# Altium PCB MKRWANV1.0.PcbDoc (part 2 of 2)
Units mm, origin at the board's own origin, x right, y up, seen from the top; angles counter-clockwise.
Board outline 67.63 x 25 mm, 4 copper layers (Top, LFSignals, POWER, Bottom), stack 0.925 mm thick; 122 components, 88 nets, 394 pads, 212 vias.
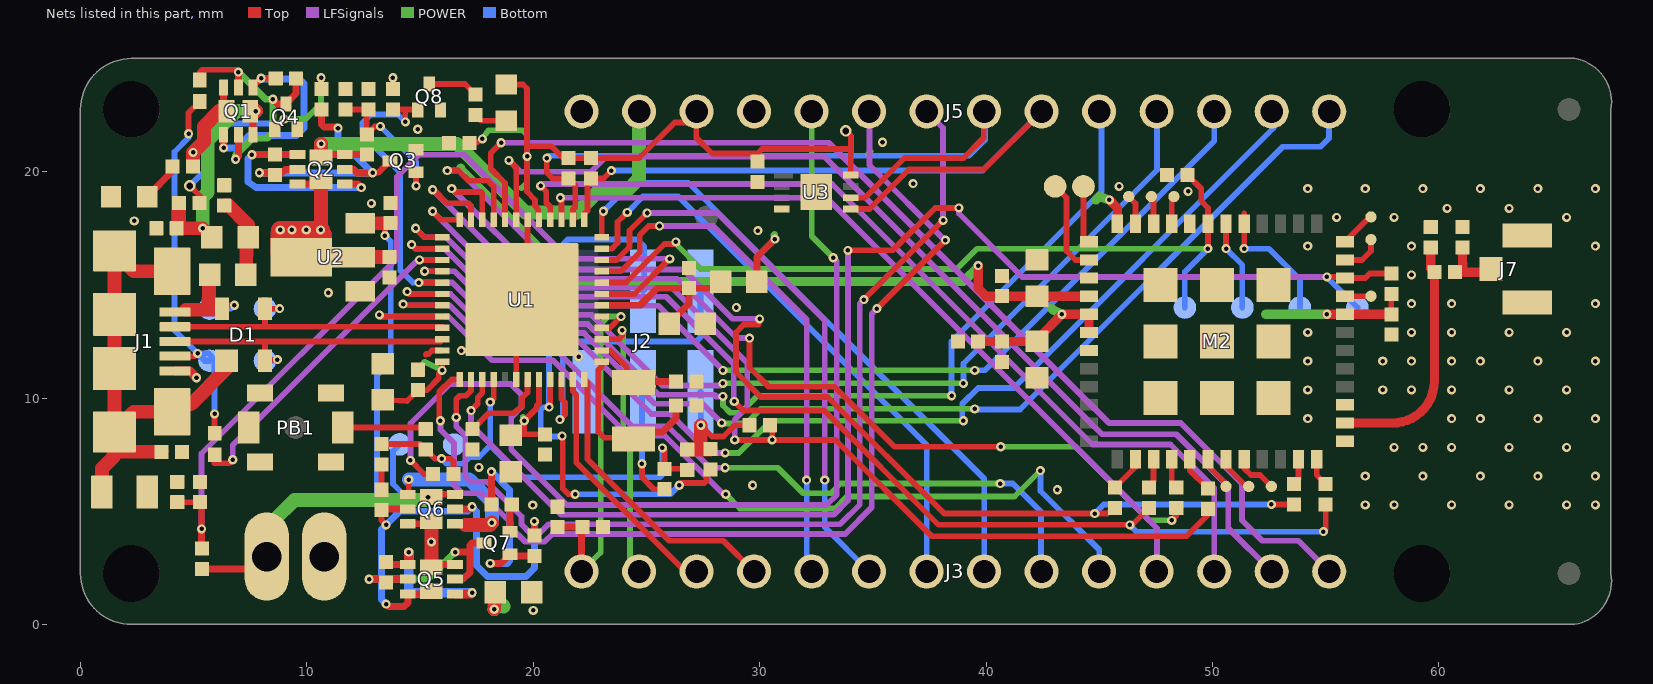
[diagram p4: the nets of this part, all layers, seen from the top]

## Footprints (in the part's own frame and the unit in brackets; to place one, negate y for a bottom-side part, rotate by r counter-clockwise, add the part's x,y. Pads: shape width x height; smd on the part's side, far side on the other; paste and mask are expansions set on the pad) (continued)
QFN50P700X700X90-49XN-EPSQ515 [mm] "QFN50P700X700X90-49XN-EPSQ515"
  rrect3% 0.65x0.28 smd paste-0.325 mask-0.325: 1(-3.525,2.75) 2(-3.525,2.25) 3(-3.525,1.75) 4(-3.525,1.25) 5(-3.525,0.75) 6(-3.525,0.25) 7(-3.525,-0.25) 8(-3.525,-0.75) 9(-3.525,-1.25) 10(-3.525,-1.75) 11(-3.525,-2.25) 12(-3.525,-2.75) 25(3.525,-2.75) 26(3.525,-2.25) 27(3.525,-1.75) 28(3.525,-1.25) 29(3.525,-0.75) 30(3.525,-0.25) 31(3.525,0.25) 32(3.525,0.75) 33(3.525,1.25) 34(3.525,1.75) 35(3.525,2.25) 36(3.525,2.75)
  rrect3% 0.28x0.65 smd paste-0.325 mask-0.325: 13(-2.75,-3.525) 14(-2.25,-3.525) 15(-1.75,-3.525) 16(-1.25,-3.525) 17(-0.75,-3.525) 18(-0.25,-3.525) 19(0.25,-3.525) 20(0.75,-3.525) 21(1.25,-3.525) 22(1.75,-3.525) 23(2.25,-3.525) 24(2.75,-3.525) 37(2.75,3.525) 38(2.25,3.525) 39(1.75,3.525) 40(1.25,3.525) 41(0.75,3.525) 42(0.25,3.525) 43(-0.25,3.525) 44(-0.75,3.525) 45(-1.25,3.525) 46(-1.75,3.525) 47(-2.25,3.525) 48(-2.75,3.525)
  rrect3% 5x5 smd paste-2.5 mask-2.5: 49(0,0)
  Top region: 2.835,3.825 2.835,3.185 2.828,3.152 2.81,3.125 2.783,3.107 2.75,3.1 2.75,3.1 2.718,3.106 2.69,3.125 2.671,3.152 2.665,3.185 2.665,3.185 2.665,3.825 2.835,3.825
  Top region: 2.665,-3.825 2.665,-3.185 2.671,-3.152 2.69,-3.125 2.718,-3.106 2.75,-3.1 2.75,-3.1 2.783,-3.107 2.81,-3.125 2.828,-3.152 2.835,-3.185 2.835,-3.185 2.835,-3.825 2.665,-3.825
  Top region: 3.825,2.665 3.185,2.665 3.152,2.671 3.125,2.69 3.106,2.718 3.1,2.75 3.1,2.75 3.107,2.783 3.125,2.81 3.152,2.828 3.185,2.835 3.185,2.835 3.825,2.835 3.825,2.665
  Top region: -2.835,-3.825 -2.835,-3.185 -2.828,-3.152 -2.81,-3.125 -2.783,-3.107 -2.75,-3.1 -2.75,-3.1 -2.718,-3.106 -2.69,-3.125 -2.671,-3.152 -2.665,-3.185 -2.665,-3.185 -2.665,-3.825 -2.835,-3.825
  Top region: -2.335,-3.825 -2.335,-3.185 -2.329,-3.152 -2.31,-3.125 -2.282,-3.106 -2.25,-3.1 -2.25,-3.1 -2.217,-3.107 -2.19,-3.125 -2.172,-3.152 -2.165,-3.185 -2.165,-3.185 -2.165,-3.825 -2.335,-3.825
  Top region: -1.835,-3.825 -1.835,-3.185 -1.828,-3.152 -1.81,-3.125 -1.783,-3.107 -1.75,-3.1 -1.75,-3.1 -1.718,-3.106 -1.69,-3.125 -1.671,-3.152 -1.665,-3.185 -1.665,-3.185 -1.665,-3.825 -1.835,-3.825
  Top region: -1.335,-3.825 -1.335,-3.185 -1.329,-3.152 -1.31,-3.125 -1.282,-3.106 -1.25,-3.1 -1.25,-3.1 -1.217,-3.107 -1.19,-3.125 -1.172,-3.152 -1.165,-3.185 -1.165,-3.185 -1.165,-3.825 -1.335,-3.825
  Top region: -0.835,-3.825 -0.835,-3.185 -0.828,-3.152 -0.81,-3.125 -0.783,-3.107 -0.75,-3.1 -0.75,-3.1 -0.718,-3.106 -0.69,-3.125 -0.671,-3.152 -0.665,-3.185 -0.665,-3.185 -0.665,-3.825 -0.835,-3.825
  Top region: -0.335,-3.825 -0.335,-3.185 -0.329,-3.152 -0.31,-3.125 -0.282,-3.106 -0.25,-3.1 -0.25,-3.1 -0.217,-3.107 -0.19,-3.125 -0.172,-3.152 -0.165,-3.185 -0.165,-3.185 -0.165,-3.825 -0.335,-3.825
  Top region: 0.165,-3.825 0.165,-3.185 0.172,-3.152 0.19,-3.125 0.217,-3.107 0.25,-3.1 0.25,-3.1 0.282,-3.106 0.31,-3.125 0.329,-3.152 0.335,-3.185 0.335,-3.185 0.335,-3.825 0.165,-3.825
  Top region: 0.665,-3.825 0.665,-3.185 0.671,-3.152 0.69,-3.125 0.718,-3.106 0.75,-3.1 0.75,-3.1 0.783,-3.107 0.81,-3.125 0.828,-3.152 0.835,-3.185 0.835,-3.185 0.835,-3.825 0.665,-3.825
  Top region: 1.165,-3.825 1.165,-3.185 1.172,-3.152 1.19,-3.125 1.217,-3.107 1.25,-3.1 1.25,-3.1 1.282,-3.106 1.31,-3.125 1.329,-3.152 1.335,-3.185 1.335,-3.185 1.335,-3.825 1.165,-3.825
  Top region: 1.665,-3.825 1.665,-3.185 1.671,-3.152 1.69,-3.125 1.718,-3.106 1.75,-3.1 1.75,-3.1 1.783,-3.107 1.81,-3.125 1.828,-3.152 1.835,-3.185 1.835,-3.185 1.835,-3.825 1.665,-3.825
  Top region: 2.165,-3.825 2.165,-3.185 2.172,-3.152 2.19,-3.125 2.217,-3.107 2.25,-3.1 2.25,-3.1 2.282,-3.106 2.31,-3.125 2.329,-3.152 2.335,-3.185 2.335,-3.185 2.335,-3.825 2.165,-3.825
  Top region: -3.825,1.835 -3.185,1.835 -3.152,1.828 -3.125,1.81 -3.107,1.783 -3.1,1.75 -3.1,1.75 -3.111,1.708 -3.142,1.676 -3.185,1.665 -3.185,1.665 -3.825,1.665 -3.825,1.835
  Top region: -3.825,1.335 -3.185,1.335 -3.152,1.329 -3.125,1.31 -3.106,1.282 -3.1,1.25 -3.1,1.25 -3.107,1.217 -3.125,1.19 -3.152,1.172 -3.185,1.165 -3.185,1.165 -3.825,1.165 -3.825,1.335
  Top region: -3.825,0.835 -3.185,0.835 -3.152,0.828 -3.125,0.81 -3.107,0.783 -3.1,0.75 -3.1,0.75 -3.111,0.708 -3.142,0.676 -3.185,0.665 -3.185,0.665 -3.825,0.665 -3.825,0.835
  Top region: -3.825,0.335 -3.185,0.335 -3.152,0.329 -3.125,0.31 -3.106,0.282 -3.1,0.25 -3.1,0.25 -3.107,0.217 -3.125,0.19 -3.152,0.172 -3.185,0.165 -3.185,0.165 -3.825,0.165 -3.825,0.335
  Top region: -3.825,-0.165 -3.185,-0.165 -3.152,-0.172 -3.125,-0.19 -3.107,-0.217 -3.1,-0.25 -3.1,-0.25 -3.111,-0.292 -3.142,-0.324 -3.185,-0.335 -3.185,-0.335 -3.825,-0.335 -3.825,-0.165
  Top region: -3.825,-0.665 -3.185,-0.665 -3.152,-0.671 -3.125,-0.69 -3.106,-0.718 -3.1,-0.75 -3.1,-0.75 -3.107,-0.783 -3.125,-0.81 -3.152,-0.828 -3.185,-0.835 -3.185,-0.835 -3.825,-0.835 -3.825,-0.665
  Top region: -3.825,-1.165 -3.185,-1.165 -3.152,-1.172 -3.125,-1.19 -3.107,-1.217 -3.1,-1.25 -3.1,-1.25 -3.111,-1.292 -3.142,-1.324 -3.185,-1.335 -3.185,-1.335 -3.825,-1.335 -3.825,-1.165
  Top region: -3.825,-1.665 -3.185,-1.665 -3.152,-1.671 -3.125,-1.69 -3.106,-1.718 -3.1,-1.75 -3.1,-1.75 -3.107,-1.783 -3.125,-1.81 -3.152,-1.828 -3.185,-1.835 -3.185,-1.835 -3.825,-1.835 -3.825,-1.665
  Top region: -3.825,-2.165 -3.185,-2.165 -3.152,-2.172 -3.125,-2.19 -3.107,-2.217 -3.1,-2.25 -3.1,-2.25 -3.111,-2.292 -3.142,-2.324 -3.185,-2.335 -3.185,-2.335 -3.825,-2.335 -3.825,-2.165
  Top region: -3.825,-2.665 -3.185,-2.665 -3.152,-2.671 -3.125,-2.69 -3.106,-2.718 -3.1,-2.75 -3.1,-2.75 -3.107,-2.783 -3.125,-2.81 -3.152,-2.828 -3.185,-2.835 -3.185,-2.835 -3.825,-2.835 -3.825,-2.665
  Top region: 2.335,3.825 2.335,3.185 2.329,3.152 2.31,3.125 2.282,3.106 2.25,3.1 2.25,3.1 2.217,3.107 2.19,3.125 2.172,3.152 2.165,3.185 2.165,3.185 2.165,3.825 2.335,3.825
  Top region: 1.835,3.825 1.835,3.185 1.828,3.152 1.81,3.125 1.783,3.107 1.75,3.1 1.75,3.1 1.718,3.106 1.69,3.125 1.671,3.152 1.665,3.185 1.665,3.185 1.665,3.825 1.835,3.825
  Top region: 1.335,3.825 1.335,3.185 1.329,3.152 1.31,3.125 1.282,3.106 1.25,3.1 1.25,3.1 1.217,3.107 1.19,3.125 1.172,3.152 1.165,3.185 1.165,3.185 1.165,3.825 1.335,3.825
  Top region: 0.835,3.825 0.835,3.185 0.828,3.152 0.81,3.125 0.783,3.107 0.75,3.1 0.75,3.1 0.718,3.106 0.69,3.125 0.671,3.152 0.665,3.185 0.665,3.185 0.665,3.825 0.835,3.825
  Top region: 0.335,3.825 0.335,3.185 0.329,3.152 0.31,3.125 0.282,3.106 0.25,3.1 0.25,3.1 0.217,3.107 0.19,3.125 0.172,3.152 0.165,3.185 0.165,3.185 0.165,3.825 0.335,3.825
  Top region: -0.165,3.825 -0.165,3.185 -0.172,3.152 -0.19,3.125 -0.217,3.107 -0.25,3.1 -0.25,3.1 -0.282,3.106 -0.31,3.125 -0.329,3.152 -0.335,3.185 -0.335,3.185 -0.335,3.825 -0.165,3.825
  Top region: -0.665,3.825 -0.665,3.185 -0.671,3.152 -0.69,3.125 -0.718,3.106 -0.75,3.1 -0.75,3.1 -0.783,3.107 -0.81,3.125 -0.828,3.152 -0.835,3.185 -0.835,3.185 -0.835,3.825 -0.665,3.825
  Top region: -1.165,3.825 -1.165,3.185 -1.172,3.152 -1.19,3.125 -1.217,3.107 -1.25,3.1 -1.25,3.1 -1.282,3.106 -1.31,3.125 -1.329,3.152 -1.335,3.185 -1.335,3.185 -1.335,3.825 -1.165,3.825
  Top region: -1.665,3.825 -1.665,3.185 -1.671,3.152 -1.69,3.125 -1.718,3.106 -1.75,3.1 -1.75,3.1 -1.783,3.107 -1.81,3.125 -1.828,3.152 -1.835,3.185 -1.835,3.185 -1.835,3.825 -1.665,3.825
  Top region: -2.165,3.825 -2.165,3.185 -2.172,3.152 -2.19,3.125 -2.217,3.107 -2.25,3.1 -2.25,3.1 -2.282,3.106 -2.31,3.125 -2.329,3.152 -2.335,3.185 -2.335,3.185 -2.335,3.825 -2.165,3.825
  Top region: -2.665,3.825 -2.665,3.185 -2.671,3.152 -2.69,3.125 -2.718,3.106 -2.75,3.1 -2.75,3.1 -2.783,3.107 -2.81,3.125 -2.828,3.152 -2.835,3.185 -2.835,3.185 -2.835,3.825 -2.665,3.825
  Top region: 3.825,-2.835 3.185,-2.835 3.152,-2.828 3.125,-2.81 3.107,-2.783 3.1,-2.75 3.1,-2.75 3.111,-2.708 3.142,-2.676 3.185,-2.665 3.185,-2.665 3.825,-2.665 3.825,-2.835
  Top region: 3.825,-2.335 3.185,-2.335 3.152,-2.329 3.125,-2.31 3.106,-2.282 3.1,-2.25 3.1,-2.25 3.107,-2.217 3.125,-2.19 3.152,-2.172 3.185,-2.165 3.185,-2.165 3.825,-2.165 3.825,-2.335
  Top region: 3.825,-1.835 3.185,-1.835 3.152,-1.828 3.125,-1.81 3.107,-1.783 3.1,-1.75 3.1,-1.75 3.111,-1.708 3.142,-1.676 3.185,-1.665 3.185,-1.665 3.825,-1.665 3.825,-1.835
  Top region: 3.825,-1.335 3.185,-1.335 3.152,-1.329 3.125,-1.31 3.106,-1.282 3.1,-1.25 3.1,-1.25 3.107,-1.217 3.125,-1.19 3.152,-1.172 3.185,-1.165 3.185,-1.165 3.825,-1.165 3.825,-1.335
  Top region: 3.825,-0.835 3.185,-0.835 3.152,-0.828 3.125,-0.81 3.107,-0.783 3.1,-0.75 3.1,-0.75 3.111,-0.708 3.142,-0.676 3.185,-0.665 3.185,-0.665 3.825,-0.665 3.825,-0.835
  Top region: 3.825,-0.335 3.185,-0.335 3.152,-0.329 3.125,-0.31 3.106,-0.282 3.1,-0.25 3.1,-0.25 3.107,-0.217 3.125,-0.19 3.152,-0.172 3.185,-0.165 3.185,-0.165 3.825,-0.165 3.825,-0.335
  Top region: 3.825,0.165 3.185,0.165 3.152,0.172 3.125,0.19 3.107,0.217 3.1,0.25 3.1,0.25 3.111,0.292 3.142,0.324 3.185,0.335 3.185,0.335 3.825,0.335 3.825,0.165
  Top region: 3.825,0.665 3.185,0.665 3.152,0.671 3.125,0.69 3.106,0.718 3.1,0.75 3.1,0.75 3.107,0.783 3.125,0.81 3.152,0.828 3.185,0.835 3.185,0.835 3.825,0.835 3.825,0.665
  Top region: 3.825,1.165 3.185,1.165 3.152,1.172 3.125,1.19 3.107,1.217 3.1,1.25 3.1,1.25 3.111,1.292 3.142,1.324 3.185,1.335 3.185,1.335 3.825,1.335 3.825,1.165
  Top region: 3.825,1.665 3.185,1.665 3.152,1.671 3.125,1.69 3.106,1.718 3.1,1.75 3.1,1.75 3.107,1.783 3.125,1.81 3.152,1.828 3.185,1.835 3.185,1.835 3.825,1.835 3.825,1.665
  Top region: 3.825,2.165 3.185,2.165 3.152,2.172 3.125,2.19 3.107,2.217 3.1,2.25 3.1,2.25 3.111,2.292 3.142,2.324 3.185,2.335 3.185,2.335 3.825,2.335 3.825,2.165
  Top region: -3.825,2.335 -3.19,2.335 -3.185,2.335 -3.152,2.329 -3.125,2.31 -3.106,2.282 -3.1,2.25 -3.1,2.25 -3.107,2.217 -3.125,2.19 -3.152,2.172 -3.185,2.165 -3.185,2.165 -3.19,2.165 -3.825,2.165 -3.825,2.335
  Top region: -3.825,2.835 -3.19,2.835 -3.185,2.835 -3.152,2.828 -3.125,2.81 -3.107,2.783 -3.1,2.75 -3.1,2.75 -3.111,2.708 -3.142,2.676 -3.185,2.665 -3.185,2.665 -3.19,2.665 -3.825,2.665 -3.825,2.835
  Top region: -2.525,2.525 2.525,2.525 2.525,-2.525 -2.525,-2.525 -2.525,2.525
  Top keep-out lines w0.05: 0.35,0 0.25,0 ; 0,0.35 0,0.25 ; 0,-0.35 0,-0.25 ; -0.35,0 -0.25,0 ; 0.25,0 cw(c0,0) 0,-0.25 ; 0.25,0 ccw(c0,0) 0.177,0.177 ccw(c0,0) 0,0.25 ; 0.25,0 0,0 ; 0,0.25 ccw(c0,0) -0.25,0 ; 0,0.25 0,0 ; 0,0 0,-0.25 ; 0,0 -0.25,0 ; 0,-0.25 cw(c0,0) -0.177,-0.177 cw(c0,0) -0.25,0
SCREW2 [mm] "SCREW2"
  oval 1.95x3.9 hole 1.3: GND(1.27,0) V+(-1.27,0)
SODFL1008X40N-882D [mm] "SODFL1008X40N-882D"
  rrect3% 0.65x0.6 smd: A(0.475,0) C(-0.475,0)
  Top keep-out circle w0.05: c0,0 r0.25
  Top keep-out lines w0.05: 0,-0.35 0,0.35 ; 0.35,0 -0.35,0 ; 1.1,-0.6 1.1,0.6 -1.1,0.6 -1.1,-0.6 1.1,-0.6
SON50P300X200X60-9N-EP160X140 [mm] "SON50P300X200X60-9N-EP160X140"
  rrect3% 0.85x0.3 smd paste-0.425 mask-0.425: 1(-1.45,0.75)
  rrect3% 0.7x0.3 smd paste-0.35 mask-0.35: 2(-1.525,0.25) 3(-1.525,-0.25) 4(-1.525,-0.75) 5(1.525,-0.75) 6(1.525,-0.25) 7(1.525,0.25) 8(1.525,0.75)
  rrect3% 1.4x1.6 smd paste-0.8 mask-0.8: 9(0,0)
  Top region: 1.875,0.6 1.175,0.6 1.121,0.611 1.076,0.641 1.046,0.686 1.035,0.74 1.035,0.74 1.035,0.75 1.035,0.76 1.046,0.814 1.076,0.859 1.121,0.889 1.175,0.9 1.175,0.9 1.875,0.9 1.875,0.6
  Top region: 1.875,0.1 1.175,0.1 1.121,0.111 1.076,0.141 1.046,0.186 1.035,0.24 1.035,0.24 1.035,0.25 1.035,0.26 1.046,0.314 1.076,0.359 1.121,0.389 1.175,0.4 1.175,0.4 1.875,0.4 1.875,0.1
  Top region: 1.875,-0.4 1.175,-0.4 1.121,-0.389 1.076,-0.359 1.046,-0.314 1.035,-0.26 1.035,-0.26 1.035,-0.25 1.035,-0.24 1.046,-0.186 1.076,-0.141 1.121,-0.111 1.175,-0.1 1.175,-0.1 1.875,-0.1 1.875,-0.4
  Top region: 1.875,-0.9 1.175,-0.9 1.121,-0.889 1.076,-0.859 1.046,-0.814 1.035,-0.76 1.035,-0.76 1.035,-0.75 1.035,-0.74 1.046,-0.686 1.076,-0.641 1.121,-0.611 1.175,-0.6 1.175,-0.6 1.875,-0.6 1.875,-0.9
  Top region: -1.875,-0.6 -1.175,-0.6 -1.121,-0.611 -1.076,-0.641 -1.046,-0.686 -1.035,-0.74 -1.035,-0.74 -1.035,-0.75 -1.035,-0.76 -1.046,-0.814 -1.076,-0.859 -1.121,-0.889 -1.175,-0.9 -1.175,-0.9 -1.875,-0.9 -1.875,-0.6
  Top region: -1.875,-0.1 -1.175,-0.1 -1.121,-0.111 -1.076,-0.141 -1.046,-0.186 -1.035,-0.24 -1.035,-0.24 -1.035,-0.25 -1.035,-0.26 -1.046,-0.314 -1.076,-0.359 -1.121,-0.389 -1.175,-0.4 -1.175,-0.4 -1.875,-0.4 -1.875,-0.1
  Top region: -1.875,0.4 -1.175,0.4 -1.121,0.389 -1.076,0.359 -1.046,0.314 -1.035,0.26 -1.035,0.26 -1.035,0.25 -1.035,0.24 -1.046,0.186 -1.076,0.141 -1.121,0.111 -1.175,0.1 -1.175,0.1 -1.875,0.1 -1.875,0.4
  Top region: -1.873,0.902 -1.022,0.902 -1.022,0.597 -1.873,0.597 -1.873,0.902
  Top region: 0.7,-0.8 0.7,0.8 -0.7,0.8 -0.7,-0.8 0.7,-0.8
  Top keep-out circle w0.05: c0,0 r0.25
  Top keep-out lines w0.05: -0.35,0 0.35,0 ; 0,-0.35 0,0.35
SOT89-3L [mm] "SOT89-3L"
  rect 0.9x1.3 smd: 1(-1.5,0) 3(1.5,0)
  rect 0.9x1.9 smd: 2(0,0.3)
  rect 1.7x2.7 smd: TH(0,2.6)
SOT190P230X110-4N [mm] "SOT190P230X110-4N"
  rrect3% 1x1 smd: 1(-1.15,0.75)
  rrect3% 1x0.6 smd: 2(-1.15,-0.95) 3(1.15,-0.95) 4(1.15,0.95)
  Top keep-out circle w0.05: c0,0 r0.25
  Top keep-out lines w0.05: 0,0.35 0,-0.35 ; -0.35,0 0.35,0
SOTFL50P160X78-3 [mm] "SOTFL50P160X78-3"
  rrect4% 0.5x0.66 smd: D(0,0.57) G(-0.5,-0.57) S(0.5,-0.57)
  Top keep-out circle w0.05: c0,0 r0.25
  Top keep-out lines w0.05: 0,0.35 0,-0.35 ; -0.35,0 0.35,0 ; -0.9,1.05 -0.9,0.64 -1,0.64 -1,-0.64 -0.9,-0.64 -0.9,-1.05 0.9,-1.05 0.9,-0.64 1,-0.64 1,0.64 0.9,0.64 0.9,1.05 -0.9,1.05
TP-0.50MM [mm] "TP-0.50MM"
  rrect100% 0.5x0.5 smd far side paste-0.25 mask-0.25: X(0,0)
TP-1.00MM [mm] "TP-1.00MM"
  rrect100% 1x1 smd far side paste-0.5: X(0,0)
U.FL-R-SMT-1(60) [mm] "U.FL-R-SMT-1(60)"
  rect 1.05x2.2 smd: GND1(-1.475,0) GND2(1.475,0)
  rect 1.05x1 smd: SIG(0,-1.6)
ZX62-AB-5PA [mm] "ZX62-AB-5PA"
  rrect3% 0.4x1.35 smd: 1(-1.3,3.025) 2(-0.65,3.025) 3(0,3.025) 4(0.65,3.025) 5(1.3,3.025)
  rrect3% 2.1x1.6 smd: 6(3.1,2.9) 11(-3.1,2.9)
  rrect3% 1.8x1.9 smd: 7(4,0.35) 10(-4,0.35)
  rrect3% 1.9x1.9 smd: 8(1.2,0.35) 9(-1.2,0.35)
  Top keep-out circle w0.05: c0,0 r0.25
  Top keep-out lines w0.05: 0,-0.35 0,0.35 ; 0.35,0 -0.35,0
  Top keep-out lines w0.254: 3.556,1.778 -3.556,1.778

## Part data
BATT+ BATT- BOOT0 D1+ D1- D+ D- RST SWCLK SWDIO USB_ID VUSB: library part TP-1.00MM, PackageName=TP-1.00MM, OriginalSource=Eagle
C1: library part 0805-R2013X50N, PackageName=0805-R2013X50N, OriginalSource=Eagle
C2 C3 C4 C5 C6 C7 C8 C9 C10 C11 C12 C14 C15 C17 C18 C20 C21 C22 C38 C40 C42 C43 C47 R1 R2 R3 R4 R5 R6 R7 R8 R9 R10 R11 R12 R13 R14 R16 R17 R18 R19 R20 R21 R22 R23 R24 R25 R26 R27 R28 R29 R30 R31 R32 R33 R34: library part 0402-1005X55N, PackageName=0402-1005X55N, OriginalSource=Eagle
C16 C19 C37 C39 C44 C45 F1: library part 0603-1608X90N, PackageName=0603-1608X90N, OriginalSource=Eagle
D1: library part SOT190P230X110-4N, PackageName=SOT190P230X110-4N, OriginalSource=Eagle
D2 D3: library part SODFL1008X40N-882D, PackageName=SODFL1008X40N-882D, OriginalSource=Eagle
DL1 DL2: library part LEDC1608X80N-AK, PackageName=LEDC1608X80N-AK, OriginalSource=Eagle
FD1 FD2 FD3 FD4: library part FD-1-1.5, PackageName=FD-1-1.5, OriginalSource=Eagle
FRAME1 FRAME2: library part FRAME, PackageName=FRAME, OriginalSource=Eagle
J1: library part ZX62-AB-5PA, PackageName=ZX62-AB-5PA, OriginalSource=Eagle
J2: library part 2X3_SMT, PackageName=2X3_SMT, OriginalSource=Eagle
J3 J5: library part 1X14_SMD_TH, PackageName=1X14_SMD_TH, OriginalSource=Eagle
J7: library part U.FL-R-SMT-1(60), PackageName=U.FL-R-SMT-1(60), OriginalSource=Eagle
L1 L5: library part 0603-1608X90N@1, PackageName=0603-1608X90N@1, OriginalSource=Eagle
M2: library part CMWX1ZZABZ-078, PackageName=CMWX1ZZABZ-078, OriginalSource=Eagle
PB1: library part C&K_PTS820_NO_HOLES, PackageName=C&K_PTS820_NO_HOLES, OriginalSource=Eagle
Q1 Q2 Q5 Q6: library part PWR_SC70, PackageName=PWR_SC70, OriginalSource=Eagle
Q3 Q4 Q7 Q8: library part SOTFL50P160X78-3, PackageName=SOTFL50P160X78-3, OriginalSource=Eagle
TP1 TP2 TP3 TP4 TP5 TP6 TP7 TP15 TP18: library part TP-0.50MM, PackageName=TP-0.50MM, OriginalSource=Eagle
U1: library part QFN50P700X700X90-49XN-EPSQ515, PackageName=QFN50P700X700X90-49XN-EPSQ515, OriginalSource=Eagle
U2: library part SOT89-3L, PackageName=SOT89-3L, OriginalSource=Eagle
U3: library part SON50P300X200X60-9N-EP160X140, PackageName=SON50P300X200X60-9N-EP160X140, OriginalSource=Eagle
U$5 U$6 U$7 U$8: library part MH_RND_F_2.2MM_NM, PackageName=MH_RND_F_2.2MM_NM, OriginalSource=Eagle
X1: library part SCREW2, PackageName=SCREW2, OriginalSource=Eagle
Y1: library part ABS07, PackageName=ABS07, OriginalSource=Eagle

## Free pads (board coordinates)
  round 2.5 hole 2.5 unplated: MH1(2.25,2.25) MH2(2.25,22.75) MH3(59.25,22.75) MH4(59.25,2.25)

## Via types
v1: diameter 0.403/0.403/0.403/0.403 (per signal layer), hole 0.2, Top to Bottom, 208 vias
v2: diameter 0.398/0.398/0.398/0.398 (per signal layer), hole 0.195, Top to Bottom, 2 vias
v3: diameter 0.508/0.508/0.508/0.508 (per signal layer), hole 0.305, Top to Bottom, 2 vias

## Nets (pads, with @x,y where several pads share a name; then routed paths per layer and width w, separated by ;. In a path a pad name is that pad's centre, name@x,y a point inside that pad or via, vN(x,y) a via of type N, cw(c..) or ccw(c..) an arc to the next point about the centre after c; other vN are vias at no path point)
+3V3: C11.1 C19.1 C20.1 C21.1 C22.1 C37.1 C38.1 C39.1 C40.1 C42.1 C45.1 DL1.A J2.1 J5.12 L5.1 M2.5 M2.6 M2.32 M2.48 Q5.D2 Q5.D2' Q6.D2 Q6.D2' R4.2 R5.2 R14.2 R16.2 R21.2 R22.2 U1.17 U1.36 U1.44 U3.8 | length 71.9
  Top w0.25: 15.35,3.8 v1(15.5,3.65) ; 20.275,21.125 20.8,21.125
  Top w0.254: C39.1@13.35,9.925 14.425,9.875 C40.1@14.9,10.35 15.3,10.35 15.825,10.875 15.825,11.075 v1(15.975,11.225) U1.36@15.975,11.6 ; C38.1@17.175,21.275 17.475,21.275 v1(17.75,21.45) ; DL1.A@18.8,23.85 19.55,23.85 19.725,23.675 19.725,21.2 ; C45.1@19,8.35 19.6,8.4 ; U1.44@20.25,10.825 20.25,9.775 20.15,9.675 20.15,9.55 v1(19.6,9) 19.6,8.4 ; U1.17@20.25,18.1 U1.17@20.25,17.875 20.225,18.325 20.075,18.5 20.075,18.75 19.725,19.125 v1(19.725,20.675) 19.725,21.2 ; 20.275,21.125 19.8,21.125 19.725,21.2 ; C42.1@20.525,8.4 19.6,8.4 ; 20.8,21.125 21.325,20.6 24.675,20.6 26.25,22.175 26.73,22.175 J5.12@27.215,22.66 27.2,22.645 27.2,21.5 27.9,20.8 29.9,20.8 ; v1(27.4,8.8) 27.9,8.3 28.4,8.3 28.9,8.8 R14.2@29.55,8.8 ; C11.1@29.9,20.45 29.9,20.8 ; v3(33.8,21.8) 34.025,21.575 34.025,21 ; U3.8@34.025,19.85 34.025,21 ; C22.1@57.9,13.7 R16.2@57.9,14.6 ; 29.9,20.8 30.1,21 34.025,21
  Top w0.305: Q6.D2@14.46,4.45 15.375,4.45 Q6.D2'@15.5,4.575 ; Q5.D2'@15.5,2.525 15.625,2.65 Q5.D2@16.54,2.65 ; L5.1@29.874,15.143 29.874,16.224 v1(30.675,17.025)
  Top w0.406: C21.1@39.65,12.5 C19.1@42.25,12.5 42.3,12.65 v1(43.35,13.7) M2.5@44.55,13.7 M2.6@44.55,12.9 ; v1(45.45,18.75) 45.8,18.4 M2.48@45.8,17.7 ; v1(55.05,13.7) C22.1@57.9,13.7
  Top w0.61: Q5.D2'@15.5,2.525 v1(15.5,3.65) Q6.D2'@15.5,4.575 ; v1(18.275,0.675) C37.1@18.325,1.425 ; R5.2@26.8,7.725 27.35,7.725 ; v1(27.4,8.8) 27.4,7.75 27.35,7.725 ; R4.2@27.825,7.75 27.8,7.725 27.35,7.725
  POWER w0.254: 15.15,11.55 15.2,11.6 v1(15.975,11.225) ; v1(17.75,21.45) 18.025,21.825 19.525,21.825 19.725,21.625 v1(19.725,20.675) 19.725,19.525 19.475,19.275 ; v1@19.55,9.175 19.6,9.125 v1(19.6,9) ; v3(33.8,21.8) 34.025,21.575 34.025,20.65 ; 34.8,20.8 34.9,20.9
  POWER w0.305: v1@30.65,17.225 30.625,17.2 v1(30.675,17.025)
  POWER w0.406: v1@27.3,8.7 v1(27.4,8.8) ; 42.9,13.95 42.95,13.9 v1(43.35,13.7) ; 44.85,18.75 45,18.9 v1(45.45,18.75) ; 52.35,13.7 v1(55.05,13.7)
  POWER w0.61: v1(18.275,0.675) 18.625,0.875 18.7,0.8
  Bottom w0.254: J2.1@27.39,10.278 27.4,10.267 v1(27.4,8.8)
+5V: C15.1 C16.1 C18.1 J5.14 M2.4 Q1.D2 Q1.D2' Q2.D2 Q2.D2' R29.2 U2.2 U2.TH | length 47.3
  Top w0.25: v1@8.7,17.55 v1(8.825,17.425)
  Top w0.254: U2.TH@9.75,16.225 10.51,16.225 U2.2@12.05,16.225
  Top w0.305: Q1.D2@6.325,23.715 6.325,22.8 Q1.D2'@6.45,22.675 ; Q2.D2@9.585,19.45 10.5,19.45 Q2.D2'@10.625,19.575
  Top w0.406: v1(39.65,15.85) 39.65,14.85 40,14.5 M2.4@44.55,14.5
  Top w0.61: R29.2@4.975,20.225 v1(4.975,20.85) 5.45,21.325 5.45,22 6.125,22.675 Q1.D2'@6.45,22.675 ; U2.TH@8.75,16.4 8.7,16.4 8.7,17.3 v1(8.825,17.425) ; U2.TH@10.51,16.225 10.795,16.51 10.795,17.235 v1@10.625,17.405 ; v1@10.625,17.4 v1@10.625,17.405 ; v1@10.625,17.425 v1@10.625,17.405 ; Q2.D2'@10.625,19.575 10.625,17.445 v1(10.605,17.425) v1@10.625,17.405 ; U2.2@12.05,16.225 C15.1@13.65,16.225
  Top w0.813: v1(8.825,17.425) v1(9.335,17.425) v1(9.97,17.425) v1(10.605,17.425) v1@10.625,17.425
  POWER w0.406: 16.8,20.15 16.8,20.1 21.75,15.15 39,15.15 39.65,15.8 v1(39.65,15.85)
GND: BATT-.X C1.2 C2.2 C3.2 C4.1 C5.1 C6.2 C7.2 C8.2 C9.2 C10.2 C11.2 C12.2 C14.2 C15.2 C16.2 C17.2 C18.2 C19.2 C20.2 C21.2 C22.2 C37.2 C38.2 C39.2 C40.2 C42.2 C43.2 C44.2 C45.2 C47.2 DL2.C J1.5 J2.5 J5.11 J7.GND1 J7.GND2 M2.3 M2.7 M2.25 M2.27 M2.44 M2.49 M2.50 M2.51 M2.52 M2.53 M2.54 M2.55 M2.56 M2.57 PB1.1 PB1.2 PB1.3 PB1.4 PB1.5 Q3.S Q4.S Q7.S Q8.S R1.1 R8.1 R10.1 R12.1 R17.1 R24.1 R33.1 U1.5 U1.18 U1.35 U1.42 U1.49 U2.1 U3.4 U3.9 X1.GND | length 11.5
  Top w0.254: R10.1@13.3,5.95 C3.2@13.3,7.075 ; 15.25,11.925 15.275,11.95 15.375,11.95 15.525,12.1 U1.35@15.975,12.1 ; U1.42@19.25,10.825 19.25,14.1 19.323,14.173 U1.49@19.5,14.35 19.677,14.527 19.75,14.6 U1.18@19.75,17.875
  Top w0.305: Q7.S@18.97,4.1 18.97,5.22 R12.1@19.05,5.3
  Top w0.406: J1.5@4.175,11.2 4.825,11.2 v1(5.125,10.9)
  other v1: 20,0.625 19.975,5.275 56.75,5.28 58.02,5.28 60.56,5.28 63.1,5.28 65.64,5.28 66.91,5.28 43.15,5.95 29.69,6.15 56.75,6.55 59.29,6.55 61.83,6.55 64.37,6.55 66.91,6.55 17.6,6.94 58.02,7.82 59.29,7.82 60.56,7.82 63.1,7.82 65.64,7.82 54.21,9.09 60.56,9.09 61.83,9.09 64.37,9.09 66.91,9.09 54.21,10.36 57.52,10.36 58.79,10.36 60.56,10.36 63.1,10.36 65.64,10.36 54.21,11.63 57.52,11.63 58.79,11.63 60.56,11.63 61.83,11.63 64.37,11.63 66.91,11.63 22,11.825 16.825,12.1 54.21,12.9 58.79,12.9 60.56,12.9 63.1,12.9 65.64,12.9 28.975,14 58.79,14.17 60.56,14.17 66.91,14.17 10.95,14.65 58.79,15.44 54.21,16.71 58.79,16.71 66.91,16.71 29.925,17.4 2.375,17.825 55.48,17.98 58.02,17.98 65.64,17.98 60.36,18.38 63.1,18.38 12.85,18.6 48.925,19.125 54.21,19.25 56.75,19.25 59.29,19.25 61.83,19.25 64.37,19.25 66.91,19.25 45.875,19.35 36.775,19.475 35.425,21.3 14.9,21.875 13.8,24.15
N1: Q5.S1 Q5.S2 R11.2 | length 6.9
  Top w0.305: R11.2@13.5,2.75 13.6,2.65 Q5.S2@14.46,2.65
  Top w0.406: Q5.S2@14.46,2.65 14.5,2.69 v1(14.5,3.2) ; Q5.S1@16.54,1.35 17.25,1.35 v1(17.3,1.4)
  Bottom w0.406: v1(14.5,3.2) 14.5,1.5 14.6,1.4 v1(17.3,1.4)
N2: Q5.G1 Q5.G2 Q7.D R11.1 | length 9.5
  Top w0.305: v1(12.75,2) R11.1@13.65,2 ; R11.1@13.5,1.85 R11.1@13.65,2 ; Q5.G2@14.46,2 R11.1@13.65,2 ; Q5.G1@16.54,2 16.9,2 17.2,2.3 17.2,3.2 ; v1(16.55,3.2) 17.2,3.2 ; Q7.D@17.83,3.6 17.3,3.6 17.2,3.5 17.2,3.2
  POWER w0.305: v1(12.75,2) 15.35,2 v1(16.55,3.2)
N3: Q7.G R12.2 R13.1 | length 8.8
  Top w0.305: v1(18.1,2.7) 18.57,2.7 Q7.G@18.97,3.1 19.045,3.025 R13.1@20.05,3.025 ; R12.2@18.15,5.3 v1(18.15,6.75)
  Bottom w0.305: v1(18.1,2.7) 18.85,2.7 18.95,2.8 18.95,5.95 v1(18.15,6.75)
N17650912: D1.4 F1.2 J1.1 VUSB.X | length 5.9
  Top w0.25: D1.4@6.25,13.95 6.4,14.1 v2(6.8,14.1)
  Top w0.254: J1.1@4.175,13.8 4.55,13.8 J1.1@4.65,13.9